# Altium PCB TinyShuffle v.0a.PcbDoc (continued)
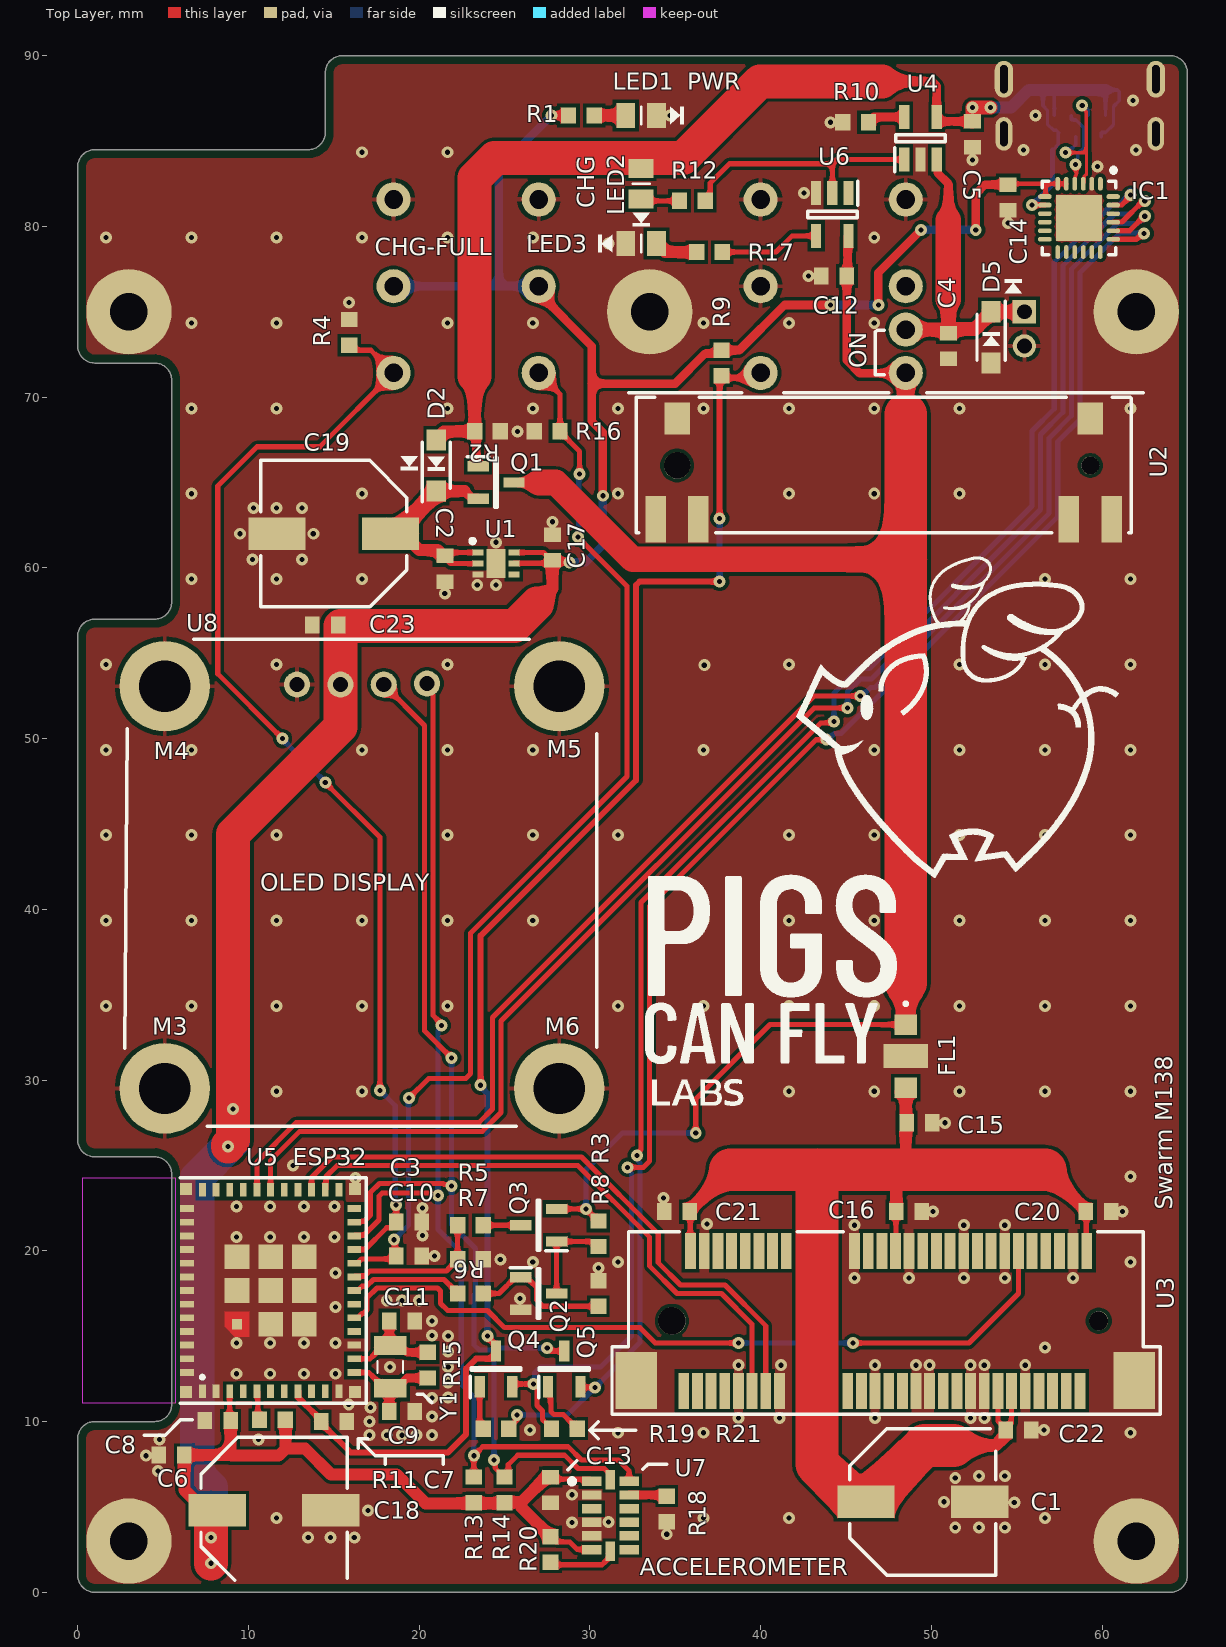
[diagram p0: Top Layer view]
## Footprints (in the part's own frame and the unit in brackets; to place one, negate y for a bottom-side part, rotate by r counter-clockwise, add the part's x,y. Pads: shape width x height; smd on the part's side, far side on the other; paste and mask are expansions set on the pad) (continued)
RES0603 [mm]
  rect 0.9x0.95 smd: 1(-0.75,0) 2(0.75,0)
  body extent -0.77,-0.4 0.77,0.4, height 0.55
SODFL3616X98N [mm]
  rect 1.24x1.12 smd: 1(-1.5,0) 2(1.5,0)
  silkscreen extent -2.12,-0.82 1.35,0.82, body extent -1.8,-0.82 1.8,0.82, height 0.98
SON65P200X200X80-7N [mm]
  rect 0.65x0.35 smd mask+0.05: 1(-1.05,0.65) 2(-1.05,0) 3(-1.05,-0.65) 4(1.05,-0.65) 5(1.05,0) 6(1.05,0.65)
  rect 1.1x1.7 smd mask+0: 7(0,0)
  silkscreen extent -1.5,1.2 -1.25,1.45, body extent -1.05,-1 1.05,1, height 0.8
SOT95P270X145-5N [mm]
  rect 1.4x0.6 smd: 1(-1.25,0.95) 2(-1.25,0) 3(-1.25,-0.95) 4(1.25,-0.95) 5(1.25,0.95)
  silkscreen extent -1.95,-1.45 0.2,1.5, body extent -1.35,-1.45 1.35,1.45, height 1.45
SOT96P237X111-3N [mm]
  rect 1.25x0.6 smd: 1(-1.05,0.955) 2(-1.05,-0.955) 3(1.05,0)
  silkscreen extent -1.68,-1.46 0.08,1.51, body extent -1.18,-1.46 1.18,1.46, height 1.11
XCVR_ESP32-C3-MINI-1-N4 [mm]
  rect 0.8x0.4 smd: 1(-5.9,1.3) 2(-5.9,0.5) 3(-5.9,-0.3) 4(-5.9,-1.1) 5(-5.9,-1.9) 6(-5.9,-2.7) 7(-5.9,-3.5) 8(-5.9,-4.3) 9(-5.9,-5.1) 10(-5.9,-5.9) 11(-5.9,-6.7) 25(5.9,-6.7) 26(5.9,-5.9) 27(5.9,-5.1) 28(5.9,-4.3) 29(5.9,-3.5) 30(5.9,-2.7) 31(5.9,-1.9) 32(5.9,-1.1) 33(5.9,-0.3) 34(5.9,0.5) 35(5.9,1.3)
  rect 0.4x0.8 smd: 12(-4.8,-7.6) 13(-4,-7.6) 14(-3.2,-7.6) 15(-2.4,-7.6) 16(-1.6,-7.6) 17(-0.8,-7.6) 18(0,-7.6) 19(0.8,-7.6) 20(1.6,-7.6) 21(2.4,-7.6) 22(3.2,-7.6) 23(4,-7.6) 24(4.8,-7.6) 36(4.8,2.2) 37(4,2.2) 38(3.2,2.2) 39(2.4,2.2) 40(1.6,2.2) 41(0.8,2.2) 42(0,2.2) 43(-0.8,2.2) 44(-1.6,2.2) 45(-2.4,2.2) 46(-3.2,2.2) 47(-4,2.2) 48(-4.8,2.2)
  rect 0.6x0.6 smd paste-1 mask+0: 49_1(-1.975,-0.725)
  rect 1.45x1.45 smd: 49_2(0,-0.725) 49_3(1.975,-0.725) 49_4(1.975,-2.7) 49_5(1.975,-4.675) 49_6(0,-4.675) 49_7(-1.975,-4.675) 49_8(-1.975,-2.7) 49_9(0,-2.7)
  rect 0.7x0.7 smd: 50(5.95,2.25) 51(5.95,-7.65) 52(-5.95,-7.65) 53(-5.95,2.25)
  Top Layer region: -1.25,-1.45 -2.7,-1.45 -2.7,-0.6 -2.1,0 -1.25,0
  Keep-Out Layer region: 6.6,2.9 -6.6,2.9 -6.6,8.3 6.6,8.3
  Keep-Out Layer region: 6.6,2.9 -6.6,2.9 -6.6,8.3 6.6,8.3
  silkscreen extent -6.6,-8.3 6.6,2.6, body extent -6.6,-8.3 6.6,8.3, height 2.55
XTAL_ABS07-32.768KHZ-T [mm]
  rect 1.1x1.9 smd: 1(-1.25,0) 2(1.25,0)
  silkscreen extent -0.35,-0.75 0.35,0.75, body extent -1.6,-0.75 1.6,0.75, height 0.89

## Part data
C1 C18 C19: "CAP ALUM POLY 220UF 20% 6.3V SMD", Manufacturer_Part_Number=APXA6R3ARA221MH70G, Mfr_Name="Nippon Chemi-Con", C="Copyright (C) 2015 Accelerated Designs. All rights reserved", Copyright="Copyright (C) 2022 Ultra Librarian. All rights reserved.", Digi-Key_Part_Number_1=565-3114-1-ND, Digi-Key_Part_Number_2=565-3114-2-ND, Digi-Key_Part_Number_3=565-3114-2-NDL, Digi-Key_Part_Number_4=565-3114-6-ND
C2 C4 C5 C6 C7: library part CAPC1608N-0.1UF, "CAP CER 1UF 25V X7R 0603", Manufacturer_Name="TDK Corporation", Manufacturer_Part_Number=CGA3E2X7R1E104K080AA, Mouser Part Number=963-TMF212B7104KGHT, Mouser Price/Stock=https://www2.mouser.com/ProductDetail/Taiyo-Yuden/TMF212B7104KGHT?qs=%252B6g0mu59x7Jv7XISa3hIWA%3D%3D, PCB DECAL=CAPC1608X55N
C3 C8 C10 C12 C13 C14 C16 C20 C21 C22 C23: library part 100n_0603, "CAP CER 0.1UF 25V X7R 0603", Manufacturer=KEMET, Part Number=C0603C104J5RACTU, Generic Part=no
C9 C11: library part CAPC1608N-0.1UF, "CAP CER 12PF NP0 0603", Manufacturer_Name="TDK Corporation", Manufacturer_Part_Number=CGA3E2X7R1E104K080AA, Mouser Part Number=963-TMF212B7104KGHT, Mouser Price/Stock=https://www2.mouser.com/ProductDetail/Taiyo-Yuden/TMF212B7104KGHT?qs=%252B6g0mu59x7Jv7XISa3hIWA%3D%3D, PCB DECAL=CAPC1608X55N
C15 C17: library part CAPC1608N-0.1UF, "25V 10UF X5R ±20% 0603 MLCC", Manufacturer_Name="TDK Corporation", Manufacturer_Part_Number=CGA3E2X7R1E104K080AA, Mouser Part Number=963-TMF212B7104KGHT, Mouser Price/Stock=https://www2.mouser.com/ProductDetail/Taiyo-Yuden/TMF212B7104KGHT?qs=%252B6g0mu59x7Jv7XISa3hIWA%3D%3D, PCB DECAL=CAPC1608X55N
D2 D5: library part MBR0520, "20V 600mV@1A 1A SOD-123 Schottky Barrier Diodes (SBD) ROHS", LCSC Part Number=C81143, Manufacturer=ON, Manufacturer_Part_Number=LMBR120FT1G, Generic Part=no
FL1: "1ÂµF Feed Through Capacitor 100V 6A 5mOhm 1206 (3216 Metric), 4 PC Pad", Package="0402 TDK", Check_prices=https://www.snapeda.com/parts/YFF31HC2A105M/TDK/view-part/566442/?ref=eda, Digi-Key_Part_Number=445-16151-1-ND, MF=TDK, MP=YFF31HC2A105M, Purchase-URL=https://pricing.snapeda.com/search/part/YFF31HC2A105M/?ref=eda, SnapEDA_Link=https://www.snapeda.com/parts/YFF31HC2A105M/TDK/view-part/566442/?ref=snap
IC1: library part CP2104, "CP2104 - USB to UART Bridge    VDD Output: 3.45V", LCSC Part Number=C47742, VIO:1.8-VDD
Op.Temp:-40~85°C="VIO: 1.8-VDD  / Op. Temp: -40~85°C", COMPANY="ADAFRUIT INDUSTRIES", DRAWN=KTOWN, Manufacturer_Part_Number=CP2104-F03-GMR, REV=B
J1: "USB2.0, TOP MOUNT, R/A, 16 PIN, DUAL", Package=None, Availability=Bad, Check_prices=https://www.snapeda.com/parts/124019772112A/Amphenol/view-part/4792123/?ref=eda, MF="Amphenol Commercial Products", MP=124019772112A, Price=None, SnapEDA_Link=https://www.snapeda.com/parts/124019772112A/Amphenol/view-part/4792123/?ref=snap
LED1: library part 598_SERIES_LED, "Red 635nm LED Indication - Discrete 2.2V 0805 _2012 Metric_", Package="0805 Dialight", Availability=Unavailable, MF=Dialight, MP=598-8110-107F, Price=None, SnapEDA_Link=https://www.snapeda.com/parts/598-8110-107F/Dialight/view-part/275124/?ref=snap
LED2: library part 598_SERIES_LED, "Orange 605nm LED Indication - Discrete 2V 0805 (2012 Metric)", Package="0805 Dialight", Availability=Unavailable, MF=Dialight, MP=598-8110-107F, Price=None, SnapEDA_Link=https://www.snapeda.com/parts/598-8110-107F/Dialight/view-part/275124/?ref=snap
LED3: library part 598_SERIES_LED, "Green 566nm LED Indication - Discrete 2V 0805 (2012 Metric)", Package="0805 Dialight", Availability=Unavailable, MF=Dialight, MP=598-8110-107F, Price=None, SnapEDA_Link=https://www.snapeda.com/parts/598-8110-107F/Dialight/view-part/275124/?ref=snap
M3 M4 M5 M6: library part STANDOFF, "RND STANDOFF M2X0.4 STEEL 3.5MM"
Q1: library part MOSFET-P, "P-Channel Mosfet   LEGEND   VDS: Voltage Drain-Source ID: Drain Current RDS(ON): Drain-Source On-State Resistance VGS(TH): Gate-Source Threshold Voltage CISS: Drain-Source Input Capacitance    SOT-23   Name	VDS	ID	RDS(ON)	VGS(TH)	CISS	Order Number	   IRLML5103	30V	760mA	600 mOhm	--	75pF @ 25V	Digikey: IRLML5103PBFCT-ND	   IRLML6401	12V	4.3A	50 mOhm	950mV @ 250µA	830pF @ 10V	Digikey: IRLML6401PBFTR-ND	   NTR0202PL	20V	400mA	800 mOhm	2.3V @ 250uA	70pF @ 5V	Digikey: NTR0202PLT1GOSTR-ND	   NTR4101PT1G	20V	1.8A	85 mOhm	1.2V @ 250uA	675pF @ 10V	Digikey: NTR4101PT1GOSCT-ND	   DMP2004K	20V	600mA	900 mOhm	1V @ 250uA	175pF @ 16V	Digikey: DMP2004KDICT-ND	   PMV65XP	20V	3.9A	76 mOhm	950mV @ 1mA	725pF @ 20V	Digikey: 568-2358-2-ND	   							   							TO-252   Name	VDS	ID	RDS(ON)	VGS(TH)	CISS	Order Number	   AOD417	30V	25A	34 mOhm	3V @ 250µA	920pF @ 15V	Digikey: 785-1106-2-ND	PowerPak   Name	VDS	ID	RDS(ON)	VGS(TH)	CISS	Order Number	   AON7401	30V	12A	14 mOhm	3V @ 250µA	2600pF @ 15V	Digikey: 785-1302-1-ND", LCSC Part Number=C709946, Manufacturer_Part_Number=DMG3415U-7, COMPANY="ADAFRUIT INDUSTRIES", D=D, DRAWN=KTOWN, G=G, REV=B, S=S
Q2: "MOSFET P-CH 60V 0.17A 3-Pin SOT-23 T/R"
Q3: library part 2N7002, "Power MOSFET, N Channel, 60 V, 300 mA, 2.8 ohm, SOT-23, Surface Mount"
Q4 Q5: "Integrated Circuit", LCSC Part Number=C82460, Manufacturer_Name="ON Semiconductor", Mouser Part Number=863-MMBT2222ALT1G, Arrow Part Number=MMBT2222ALT1G, Arrow Price/Stock=https://www.arrow.com/en/products/mmbt2222alt1g/on-semiconductor, Datasheet Link=http://www.onsemi.com/pub/Collateral/MMBT2222LT1-D.PDF, Height=1.11mm, Manufacturer_Part_Number=MMBT2222ALT1G, Mouser Price/Stock=https://www.mouser.co.uk/ProductDetail/ON-Semiconductor/MMBT2222ALT1G?qs=HVbQlW5zcXWwnD7Jokybqg%3D%3D
R1 R12: library part 1K_0603, "RES 1.00K OHM 1/10W 1% 0603 SMD", Manufacturer=Vishay, Manufacturer_Part_Number=CRCW06031K00FKEAHP, Generic Part=no
R2 R3 R7 R8: library part 100K_0603, "Res General Purpose Thick Film 0603 100k Ohm 1% 1/10W ±100ppm/°C Molded", Manufacturer=Vishay, Part Number=CRCW0603100KFKEAHP, Generic Part=no
R4 R9 R11 R16 R18 R19 R20 R21: library part RGA1608P-103-B-T1, "RES 10.0K OHM 1/10W 1% 0603 SMD Ro HS", Manufacturer_Name=Susumu, Mouser Part Number=754-RGA1608P-103BT1, Arrow Part Number=RGA1608P-103-B-T1, Datasheet Link=https://componentsearchengine.com/Datasheets/1/RGA1608P-103-B-T1.pdf, Height=0.55mm, Manufacturer_Part_Number=RGA1608P-103-B-T1, Mouser Price/Stock=https://www.mouser.co.uk/ProductDetail/Susumu/RGA1608P-103-B-T1?qs=bZr6mbWTK5mMUuFD5Afdcw%3D%3D
R5: library part 330K_0603, "Res Thick Film 0603 330K Ohm 1% 0.1W(1/10W) ±100ppm/C Pad SMD T/R", Manufacturer=Vishay, Part Number=CRCW0603330KFKEAHP, Generic Part=no
R6 R13 R14: library part RGA1608P-103-B-T1, "Res Thick Film 0603 330K Ohm 1% 0.1W(1/10W) ±100ppm/C Pad SMD T/R", Manufacturer_Name=Susumu, Mouser Part Number=754-RGA1608P-103BT1, Arrow Part Number=RGA1608P-103-B-T1, Datasheet Link=https://componentsearchengine.com/Datasheets/1/RGA1608P-103-B-T1.pdf, Height=0.55mm, Manufacturer_Part_Number=RGA1608P-103-B-T1, Mouser Price/Stock=https://www.mouser.co.uk/ProductDetail/Susumu/RGA1608P-103-B-T1?qs=bZr6mbWTK5mMUuFD5Afdcw%3D%3D
R10: library part 10K_0603, "Res General Purpose Thick Film 0603 1.5K Ohm 1% 1/10W ±100ppm/°C Molded SMD Paper T/R", Manufacturer=Vishay, Manufacturer_Part_Number=CRCW060310K0FKEAHP, Generic Part=no
R15: library part 100K_0603, "Res Thick Film 0603 10M Ohm 1% 1/10W ±200ppm/°C Molded SMD SMD Paper T/R", Generic Part=YES
R17: library part 1K_0603, "RES 1.00K OHM 1/10W 1% 0603 SMD", Manufacturer=Vishay, Part Number=CRCW06031K00FKEAHP, Generic Part=no
S1: "SWITCH TOGGLE SPDT 3A 120V"
S2 S3 S4: "Pushbutton Switch SPST-NO Standard Through Hole, Right Angle, Vertical"
T1: library part "Battery Connector", "Connector Header, PH Series, 2 Position, 2.00mm, Through Hole, Press-Fit, Solder, Natural"
U1: "1.2A LDO Regulator, Low Dropout Voltage, Low Noise with Power Good Output 3.3V, Active discharge", Manufacturer_Name="ON Semiconductor", Mouser Part Number=863-NCV8187AMT330TAG, Arrow Part Number=NCV8187AMT330TAG, Arrow Price/Stock=https://www.arrow.com/en/products/ncv8187amt330tag/on-semiconductor?region=nac, Datasheet Link=https://www.onsemi.com/pdf/datasheet/ncv8187-d.pdf, Height=0.8mm, Manufacturer_Part_Number=NCV8187AMT330TAG, Mouser Price/Stock=https://www.mouser.co.uk/ProductDetail/onsemi/NCV8187AMT330TAG?qs=%252B6g0mu59x7JkSKBMOiGIwA%3D%3D
U2: library part Component_2, "CONN MINI EXPRESS CARD LATCH SMD"
U3: library part "SWARM_M138_mPCIe_2.005\"_VHF", "SWARM M138 MODEM mPCIe 2.005\" (50.925mm) x 1.18\" (30mm)  Two part connector", MANUF1=JAE, MANUF1 P/N="A: MM60-52B1-B1-R850 B: MM60-EZH039-B5-R850", TEMP="-40°C ~ 85°C", Size=mPCIe, SPECIAL_INSTRUCTIONS="A: MM60-52B1-B1-R850 B: MM60-EZH039-B5-R850", Supplier=Digikey, Supplier P/N="A: 670-2274-2-ND B: 670-2276-2-ND", Type=CONN
U4: library part MCP73831-2-OT, "IC BATT CNTL LI-ION 1CEL SOT23-5", Manufacturer="Microchip Technology", Generic Part=no, Manufacturer_Part_Number=MCP73831T-2ACI/OT
U5: "Bluetooth, WiFi 802.11b/g/n, Bluetooth v5.0 Transceiver Module 2.412GHz ~ 2.484GHz PCB Trace Surface Mount", Package="SMD-53 Espressif Systems", Availability="In Stock", Check_prices=https://www.snapeda.com/parts/ESP32-C3-MINI-1-N4/Espressif+Systems/view-part/?ref=eda, MF="Espressif Systems", MP=ESP32-C3-MINI-1-N4, Price=None, Purchase-URL=https://pricing.snapeda.com/search/part/ESP32-C3-MINI-1-N4/?ref=eda, SnapEDA_Link=https://www.snapeda.com/parts/ESP32-C3-MINI-1-N4/Espressif+Systems/view-part/?ref=snap
U6: "Inverter IC 1 Channel - SOT-23-5", LCSC Part Number=C7827, Manufacturer_Name="Texas Instruments", Mouser Part Number=595-SN74LVC1G04DBVR, Arrow Part Number=SN74LVC1G04DBVR, Arrow Price/Stock=https://www.arrow.com/en/products/sn74lvc1g04dbvr/texas-instruments, Datasheet Link=http://www.ti.com/lit/gpn/sn74lvc1g04, Height=1.45mm, Manufacturer_Part_Number=SN74LVC1G04DBVR, Mouser Price/Stock=https://www.mouser.co.uk/ProductDetail/Texas-Instruments/SN74LVC1G04DBVR?qs=AMJt07B76utiScZvQx5a7w%3D%3D
U7: "3-Axis, ±2 g/±4 g/±8 g/±16 g Digital Accelerometer", Manufacturer_Name="Analog Devices", Mouser Part Number=584-ADXL345BCCZ-R, Arrow Part Number=ADXL345BCCZ-RL, Arrow Price/Stock=https://www.arrow.com/en/products/adxl345bccz-rl/analog-devices?region=nac, Datasheet Link=https://www.analog.com/media/en/technical-documentation/data-sheets/ADXL345.pdf, Height=1mm, Manufacturer_Part_Number=ADXL345BCCZ-RL, Mouser Price/Stock=https://www.mouser.co.uk/ProductDetail/Analog-Devices/ADXL345BCCZ-RL?qs=WIvQP4zGangSXrz9XHbgiA%3D%3D
U8: library part "Header 4", "Header, 4-Pin", LatestRevisionDate=17-Jul-2002, LatestRevisionNote="Re-released for DXP Platform.", Publisher="Altium Limited"
Y1: "32.768kHz Â±20ppm Crystal 12.5pF 70 kOhms 2-SMD, No Lead", Package="SMD-2 Abracon", Availability=Unavailable, MF="Abracon LLC", MP=ABS07-32.768KHZ, Price=None, SnapEDA_Link=https://www.snapeda.com/parts/ABS07-32.768KHZ/Abracon%20LLC/view-part/448682/?ref=snap

## Free pads (board coordinates)
  round 5 hole 2.2: M(3,3) M(3,75) M(33.5,75) M(62,3) M(62,75)

## Via types
v1: diameter 0.7, hole 0.3, Top Layer to Bottom Layer, tented both sides, 283 vias

## Nets (pads, with @x,y where several pads share a name; then routed paths per layer and width w, separated by ;. In a path a pad name is that pad's centre, name@x,y a point inside that pad or via, vN(x,y) a via of type N, cw(c..) or ccw(c..) an arc to the next point about the centre after c; other vN are vias at no path point)
+3V3: C6.2 C8.2 C13.1 C14.2 C17.2 C18.1 C23.1 IC1.5 IC1.6 IC1.7 R1.2 R9.1 R11.1 R13.1 R14.1 R20.1 S2.1 S3.1 U1.5 U1.6 U5.3 U7.1 U7.6 U8.2 | length 201.4
  Top Layer w0.25: C14.2 54.55,82.5 56.687,82.5 ; IC1.7 56.673,81.75 56.687,81.764 56.687,82.5 ; IC1.5 IC1.6 56.687,82.5
  Top Layer w0.3: C8.2@8.9,10.15 U5.3 ; U1.5 25.575,60.275 27.6,60.275 27.75,60.425 27.275,60.9 U1.6 ; R20.1 27.725,3.25 28.025,2.95 28.819,2.95 29.256,2.513 30.09,2.513 U7.6 ; C13.1 27.825,6.625 29.978,6.625 U7.1
  Top Layer w0.5: S3.1 27,76.094 30.1,72.994 30.1,70.797 ; v1(27.75,86.5) R1.2 ; C17.2 27.887,60.363 28.762,60.363 v1(28.8,60.325) ; v1(30.762,64.227) 30.762,67.938 30.1,68.6 30.1,70.797 ; v1(44.1,75.4) 41.4,75.4 38.75,72.75 R9.1 37.5,72.55 36.75,72.55 34.997,70.797 30.1,70.797 ; v1(46.9,75.4) 46.9,77.3 v1(49.4,79.8) ; v1(52.6,79.8) 52.6,81.9 53.15,82.45 C14.2
  Top Layer w0.7: C18.1@7.8,4.753 7.496,4.753 6.25,5.999 C6.2 8.961,8.038 ; C8.2@8.961,10.054 8.961,8.038 ; R11.1@12.175,10.1 12.175,8.41 ; R14.1 R14.1@25.027,5.277 ; 25.983,5.277 R14.1@25.027,5.277 ; 26.9,57.9 27.8,58.8 C17.2 ; R20.1@27.665,3.285 27.64,3.285 27.575,3.35 27.575,3.375 26,4.95 26,5.295 27.38,6.675 27.625,6.675 C13.1 ; 8.961,8.038 8.999,8 11.765,8 12.175,8.41 ; 12.175,8.41 13.327,8.41 14.837,6.9 18.681,6.9 20.381,5.2 24.95,5.2 R14.1@25.027,5.277
  Top Layer w2: v1(7.8,1.7) v1(7.8,3.2) C18.1@7.8,4.753 ; v1(8.8,26.1) 8.8,26.19 9.1,26.49 9.1,44.4 15.385,50.685 U8.2 15.385,56.593 25.593,56.593 26.9,57.9
  Bottom Layer w0.5: S2.1 24.667,76.5 ; S3.1 24.667,76.5 ; v1(27.75,86.5) 24.667,83.417 24.667,76.5 ; v1(28.8,60.325) 29.747,60.325 30.762,61.34 v1(30.762,64.227) ; v1(44.1,75.4) v1(46.9,75.4) ; v1(49.4,79.8) v1(52.6,79.8)
  Bottom Layer w2: v1(7.8,1.7) 7.8,6.138 7,6.938 7,24.3 9.1,26.4 v1(9.1,28.3)
BAT-EV: R6.1 U5.18 | length 6.3
  Top Layer w0.3: U5.18 16.25,17.725 16.45,17.725 16.65,17.925 16.918,17.925 17.318,18.325 21.45,18.325 R6.1@21.978,17.797
BAT-RV: R5.2 R7.1 U5.19 | length 8.8
  Top Layer w0.3: U5.19 16.25,18.525 16.811,18.525 17.111,18.825 21.6,18.825 22.25,19.475 R5.2@22.25,21.788
CHG_FULL: R17.2 U6.4 | length 5.9
  Top Layer w0.3: R17.2 40.9,78.5 41.85,79.45 U6.4
D_N: IC1.4 J1.A7 J1.B7 | length 4.8
  Top Layer w0.2: IC1.4 58.4,82.789 58.4,82.592 58.437,82.555 58.437,82.955 58.493,83.011 58.493,83.563 v1(58.436,83.62)
  Bottom Layer w0.2: J1.B7 58.2,86.263 58.225,86.238 58.462,86.238 58.925,85.775 58.925,85.025 58.95,85 58.925,84.975 58.925,84.616 58.583,84.274 58.583,83.982
D_P: IC1.3 J1.A6 J1.B6 | length 8
  Top Layer w0.2: v1(57.868,84.325) 59.067,84.325 ; v1(58.836,87.079) 58.836,86.944 59.067,86.713 59.067,84.325 ; IC1.3 58.9,82.524 58.937,82.561 58.943,82.561 58.96,82.578 58.96,82.942 59.086,83.068 59.086,84.306 59.067,84.325
  Bottom Layer w0.2: v1(57.868,84.325) 57.992,84.325 58.451,84.783 J1.A6 ; v1(58.836,87.079) 58.871,87.079 59.2,86.75 J1.B6
DTR: IC1.23 Q5.2 R19.2 | length 92.7
  Top Layer w0.3: R19.2 25.25,9.605 25.723,10.078 v1(25.723,10.394) ; Q5.2 29.485,12 v1(30.3,12) ; v1(32.76,25.594) 32.76,25.702 33,25.942 33,40.407 43.516,50.923 44.223,50.923 v1(44.3,51) ; IC1.23 60.66,81.26 61.154,81.26 61.663,81.769 v1(61.663,81.831)
  Bottom Layer w0.3: v1(25.723,10.394) 28.694,10.394 v1(30.3,12) 32.94,14.64 32.94,25.139 32.837,25.243 32.837,25.517 v1(32.76,25.594) ; v1(44.3,51) 44.3,52.662 45.738,54.1 46.379,54.1 55.9,63.621 55.9,68.021 57.2,69.321 57.2,77.906 60.548,81.255 60.978,81.255 61.555,81.831 v1(61.663,81.831) ; v1@61.513,81.981 v1@61.663,82.131
EN: C7.2 Q4.3 R9.2 S4.3 U5.8 | length 86.8
  Top Layer w0.35: U5.8 12.925,11.75 12.925,11.4 14,10.325 14.5,9.825 14.5,9.675 15.975,8.2 21.7,8.2 22.75,9.25 22.75,13.095 23.335,13.68 24.375,13.68 24.5,13.805 Q4.3 24.5,14.455 24,14.955 v1(24,15) ; v1(23.6,29.7) 23.6,38.458 32.7,47.558 32.7,58.995 32.905,59.2 v1(37.6,59.2) ; v1(37.6,62.9) 37.6,71.15 R9.2 ; R9.2@37.7,71.125 39.705,71.125 S4.3
  Bottom Layer w0.35: v1(23.6,29.7) 23.6,29.605 24,29.205 v1(24,15) ; v1(37.6,59.2) v1(37.6,62.9)
GND: C1.2 C2.1 C3.2 C4.2 C5.1 C6.1 C7.1 C8.1 C9.2 C10.2 C11.2 C12.2 C13.2 C14.1 C15.2 C16.2 C17.1 C18.2 C19.2 C20.2 C21.2 C22.1 C23.2 D5.2 FL1.2 IC1.2 IC1.25 J1.A1 J1.A12 J1.B1 J1.B12 J1.G1 J1.G2 J1.S1 J1.S2 J1.S3 J1.S4 LED1.C LED3.C M3.M M4.M M5.M M6.M pad.M Q3.2 R2.2 R4.2 R7.2 R8.2 R10.2 R16.2 R18.1 S1.M S2.M S3.M S4.1 S4.M T1.2 U1.3 U1.7 U2.S1_1 U2.S1_2 U2.S1_3 U2.S2_1 U2.S2_2 U2.S2_3 U3.4 U3.9 U3.15 U3.18 U3.21 U3.26 U3.27 U3.29 U3.34 U3.35 U3.37 U3.40 U3.43 U3.50 U3.53 U3.54 U4.2 U5.1 U5.2 U5.11 U5.14 U5.36 U5.37 U5.38 U5.39 U5.40 U5.41 U5.42 U5.43 U5.44 U5.45 U5.46 U5.47 U5.48 U5.49_1 U5.49_2 U5.49_3 U5.49_4 U5.49_5 U5.49_6 U5.49_7 U5.49_8 U5.49_9 U5.50 U5.51 U5.52 U5.53 U6.3 U7.2 U7.4 U7.5 U8.1
  other v1: 13.5,3.2 14.8,3.2 16.2,3.2 34.5,3.4 51.4,3.8 52.8,3.8 54.3,3.8 28.95,4.098 31.1,4.116 11.654,4.345 36.654,4.345 41.654,4.345 56.654,4.345 17,4.8 54.858,5.26 50.737,5.3 28.95,5.712 51.4,6.7 52.8,6.8 54.3,6.8 4.7,7.1 4,8 4.796,8.938 10.6,8.953 17.1,9.2 18.1,9.2 19,9.2 19.85,9.2 20.75,9.2 31.654,9.345 36.654,9.345 61.654,9.345 26.5,9.5 56.6,9.5 17.1,10 38.7,10.2 41.1,10.2 46.7,10.2 52.3,10.2 53.1,10.2 20.75,10.3 17.15,10.825 15.875,11 20.75,11.373 21.7,11.4 21.7,12.3 9.3,12.8 11.275,12.8 13.25,12.8 15.1,12.8 18.3,13.2 21.7,13.2 38.7,13.3 41.2,13.3 46.7,13.3 49.1,13.3 49.9,13.3 52.3,13.3 53.1,13.3 55.5,13.3 21.7,14.1 56.654,14.345 9.3,14.6 11.275,14.6 13.25,14.6 15.1,14.6 21.7,15 20.75,15.05 20.75,15.9 15.1,16.7 18.1,17.1 19,17.1 20,17.1 25.9,17.2 45.5,18.4 48.7,18.4 51.9,18.4 54.3,18.4 58.3,18.4 15.1,18.7 30.5,19 26.654,19.345 31.654,19.345 61.654,19.345 24.75,19.5 20.9,19.7 9.3,20.8 11.275,20.8 13.25,20.8 15.05,20.8 20.2,20.9 45.5,21.5 51.9,21.5 54.3,21.5 36.85,21.58 50.1,22.3 61.2,22.3 20.2,22.5 9.3,22.6 11.275,22.6 13.25,22.6 15.05,22.6 34.3,23.1 16.266,24.275 61.654,24.345 12.6,25 50.8,27.5 11.654,29.345 16.654,29.345 41.654,29.345 46.654,29.345 51.654,29.345 56.654,29.345 61.654,29.345 1.654,34.345 6.654,34.345 11.654,34.345 16.654,34.345 21.654,34.345 31.654,34.345 36.654,34.345 41.654,34.345 46.654,34.345 51.654,34.345 56.654,34.345 61.654,34.345 1.654,39.345 6.654,39.345 11.654,39.345 16.654,39.345 21.654,39.345 26.654,39.345 36.654,39.345 41.654,39.345 46.654,39.345 51.654,39.345 56.654,39.345 61.654,39.345 1.654,44.345 6.654,44.345 11.654,44.345 21.654,44.345 26.654,44.345 31.654,44.345 41.654,44.345 46.654,44.345 51.654,44.345 56.654,44.345 61.654,44.345 1.654,49.345 6.654,49.345 16.654,49.345 21.654,49.345 26.654,49.345 36.654,49.345 46.654,49.345 51.654,49.345 56.654,49.345 61.654,49.345 36.7,54.3 1.654,54.345 11.654,54.345 21.654,54.345 41.654,54.345 51.654,54.345 56.654,54.345 61.654,54.345 21.5,58.5 23.4,59 24.5,59 6.654,59.345 11.654,59.345 16.654,59.345 56.654,59.345 61.654,59.345 10.245,60.5 13.145,60.5 24.5,61.5 9.5,62 13.798,62 27.8,62.7 10.3,63.5 11.645,63.5 13.145,63.5 6.654,64.345 16.654,64.345 31.654,64.345 41.654,64.345 46.654,64.345 51.654,64.345 25.75,68 6.654,69.345 11.654,69.345 21.654,69.345 26.654,69.345 31.654,69.345 36.654,69.345 41.654,69.345 46.654,69.345 51.654,69.345 61.654,69.345 6.654,74.345 11.654,74.345 21.654,74.345 26.654,74.345 36.654,74.345 41.654,74.345 46.654,74.345 15.9,75.55 42.8,77.1 31.1,79 1.654,79.345 6.654,79.345 11.654,79.345 16.654,79.345 21.654,79.345 26.654,79.345 46.654,79.345 54.5,80.2 42.54,81.967 59.736,83.501 52.4,83.9 16.654,84.345 21.654,84.345 55.4,84.475 61.989,84.475 44.1,86.1 34.7,86.5 56.1,86.5 61.805,87.375
GPIO8/SDA: R13.2 U5.22 U7.13 U8.4 | length 65.1
  Top Layer w0.3: U5.22 16.25,20.925 16.774,20.925 17.65,21.801 17.65,23.201 17.826,23.377 20.729,23.377 20.779,23.327 21.028,23.327 v1(21.105,23.25) ; U8.4 20.465,52.89 20.816,52.539 20.816,33.793 21.3,33.308 v1(21.3,33.2) ; R13.2 v1(23.2,8) 23.725,8.525 28.727,8.525 29.502,7.75 31.671,7.75 32.297,7.124 U7.13
  Bottom Layer w0.3: v1(21.3,33.2) 21.3,33.092 21.105,32.896 21.105,21.245 22.462,19.888 22.462,12.181 23.2,11.443 v1(23.2,8)
GPIO9/SCL: Q5.3 R14.2 U5.23 U7.14 U8.3 | length 69.5
  Top Layer w0.3: U5.23 16.25,21.725 16.773,21.725 17.15,22.102 17.15,23.431 17.669,23.95 21.395,23.95 21.468,23.877 21.823,23.877 v1(21.9,23.8) ; U8.3 20.316,50.776 20.316,32.884 v1(21.9,31.3) ; v1(24.385,7.75) 24.461,7.673 24.461,7.264 24.975,6.75 R14.2 25.22,6.97 25.22,7.474 25.77,8.025 28.52,8.025 29.295,7.25 30.846,7.25 31.2,6.896 U7.14 ; v1(27.5,14.3) 27.608,14.3 27.778,14.13 Q5.3
  Bottom Layer w0.3: v1(21.9,31.3) v1(21.9,23.8) 21.9,21.532 23.3,20.132 23.3,17.5 23.2,17.4 23.2,14.5 23.515,14.185 24.385,14.185 ; v1(24.385,7.75) 24.385,14.185 ; v1(27.5,14.3) 24.5,14.3 24.385,14.185
IN: C2.2 C19.1 D2.1 Q1.2 U1.1 U1.2 | length 13.7
  Top Layer w0.3: C2.2 21.7,60.9 U1.1 ; C2.2@21.575,60.5 21.825,60.25 U1.2
  Top Layer w0.5: 22.67,64.5 23.075,64.095 23.4,64.095 Q1.2
  Top Layer w0.7: C19.1 19.051,62 20.004,61.048 21.078,61.048 21.425,60.7 C2.2 ; D2.1 22.67,64.5
  Top Layer w1: C19.1@19.051,62 19.504,62.452 19.504,62.944 21,64.44 D2.1
MODEM: U3.42 U5.16 | length 45.3
  Top Layer w0.3: U5.16@16.4,16.075 16.65,16.325 16.745,16.325 16.95,16.53 16.95,17.25 17.525,17.825 21.078,17.825 21.254,17.649 21.254,16.922 21.676,16.5 24,16.5 25,15.5 32.93,15.5 33.83,14.6 v1(38.7,14.6) ; v1(45.4,14.6) 52.2,14.6 55.1,17.5 U3.42
  Bottom Layer w0.3: v1(38.7,14.6) v1(45.4,14.6)
NetC1_1: C1.1 C15.1 C16.1 C20.1 C21.1 C22.2 FL1.3 U3.2 U3.24 U3.39 U3.41 U3.52 | length 75.8
  Top Layer w0.3: U3.2@35.875,20.025 C21.1@35.875,22.275 ; U3.24@47.925,20.025 C16.1@47.925,22.275 ; U3.39 53.9,10.025 54.35,9.575 54.7,9.925 U3.41 ; U3.52@59.075,20.025 C20.1@59.075,22.275
  Top Layer w0.5: C21.1 C21.1@35.875,22.275 ; U3.2@35.875,20.025 U3.2 ; U3.24 U3.24@47.925,20.025 ; C16.1@47.925,22.275 C16.1 ; C22.2 C22.2@54.35,9.575 ; C20.1 C20.1@59.075,22.275 ; U3.52@59.075,20.025 U3.52
  Top Layer w0.7: C21.1 35.925,22.375 35.925,22.45 38.231,24.756 ; C16.1 47.95,24.732 47.974,24.756 48.5,25.282 FL1.3 48.45,29.55 FL1.3@48.2,29.3 ; 51.3,8.6 53.767,8.6 54.275,9.108 54.275,9.425 C22.2 ; 56.669,24.756 59.05,22.375 C20.1
  Top Layer w2.5: 38.231,24.756 43.321,24.756 ; 47.95,24.756 43.321,24.756 ; 47.974,24.756 56.669,24.756 ; 51.3,8.6 49.6,8.6 46.7,5.7 45.116,5.7 43.3,7.516 43.3,24.735 43.321,24.756
NetC9_1: C9.1 R15.1 U5.12 Y1.2 | length 6.5
  Top Layer w0.3: U5.12 17.05,12.875 17.5,12.425 17.5,12.35 17.9,11.95 Y1.2
  Top Layer w0.5: C9.1@18.25,10.5 18.25,11.9 Y1.2 18.7,11.95 19,12.25 19,12.257 19.293,12.55 R15.1
NetC11_1: C11.1 R15.2 U5.13 Y1.1 | length 6.4
  Top Layer w0.3: U5.13 17.125,13.675 17.9,14.45 Y1.1
  Top Layer w0.5: C11.1@18.25,16 18.25,14.5 Y1.1 18.6,14.15 19.193,14.15 19.293,14.05 R15.2
NetLED1_A: LED1.A R1.1 | length 1.8
  Top Layer w0.7: R1.1 LED1.A
NetLED2_C: LED2.C R12.1 | length 2.3
  Top Layer w0.3: LED2.C 33.1,81.5 R12.1
NetLED3_A: LED3.A R17.1 | length 1.8
  Top Layer w0.7: LED3.A@34.4,78.5 R17.1
NetQ2_1: Q2.1 Q3.3 R3.2 | length 5.6
  Top Layer w0.3: Q3.3 Q2.1 30.205,20.545 R3.2
NetQ2_3: Q2.3 R5.1 | length 2.2
  Top Layer w0.3: R5.1@23.72,21.5 Q2.3
NetQ3_1: Q3.1 R6.2 R8.1 | length 8.5
  Top Layer w0.3: R6.2@23.56,17.5 24.67,17.5 25.625,18.455 Q3.1 26.275,18.455 26.868,17.862 26.868,17.132 27.25,16.75 R8.1
NetQ4_1: Q4.1 R19.1 | length 2.5
  Top Layer w0.3: Q4.1 23.545,9.785 R19.1
NetQ5_1: Q5.1 R21.1 | length 3.5
  Top Layer w0.3: Q5.1 27.695,11.88 27.695,11.063 27.721,11.037 27.721,10.581 27.897,10.405 28.45,10.405 29.25,9.605 R21.1
NetR10_1: R10.1 U4.5 | length 2.2
  Top Layer w0.5: R10.1 46.32,86.125 46.52,86.325 46.545,86.325 46.63,86.41 U4.5
NetR11_2: R11.2 U5.5 | length 1.7
  Top Layer w0.3: U5.5 10.55,11.725 10.55,10.2 R11.2
NetR18_2: R18.2 U7.12 | length 2.2
  Top Layer w0.3: R18.2 R18.2@34.522,5.65
  Top Layer w0.5: U7.12 R18.2@34.422,5.7
NetR20_2: R20.2 U7.7 | length 4.1
  Top Layer w0.3: R20.2 27.841,1.609 30.704,1.609 31.2,2.105 U7.7
PAIRING: C3.1 R4.1 S2.3 U5.21 | length 66.9
  Top Layer w0.3: v1(12,50) 8.2,53.8 8.2,64.8 10.496,67.096 14.176,67.096 S2.3 17.17,72.75 16.2,72.75 R4.1 ; v1(14.5,47.421) 17.7,44.221 v1(17.7,29.4) ; U5.21 16.204,20.079 16.832,20.079 18.103,21.35 18.375,21.35 18.65,21.625 C3.1 18.647,21.703 18.647,22.674 v1(18.644,22.677)
  Bottom Layer w0.3: v1(12,50) 12,49.961 14.5,47.461 v1(14.5,47.421) ; v1(17.7,29.4) 18.6,28.5 18.6,22.721 v1(18.644,22.677)
RTS: IC1.19 Q4.2 R21.2 | length 92.9
  Top Layer w0.3: Q4.2 25.455,12.05 25.605,12.2 26.7,12.2 26.695,12.195 26.695,12.092 26.895,11.892 26.895,10.945 27.221,10.619 27.221,10.125 27.441,9.905 27.45,9.905 27.75,9.605 R21.2 ; v1@32.217,24.889 33.135,24.889 33.5,25.255 33.5,40.2 43.24,49.94 v1(43.844,49.94) ; IC1.19 62.012,79.25 62.355,79.593 v1(62.463,79.593)
  Bottom Layer w0.3: v1(26.695,12.2) 26.772,12.277 26.772,12.872 27.1,13.2 30.629,13.2 32.44,15.01 32.44,24.541 32.2,24.781 v1(32.2,24.889) ; v1(43.844,49.94) 43.952,49.94 44.312,50.3 44.7,50.3 57.4,63 57.4,67.4 58.7,68.7 58.7,77.285 61.021,79.607 62.449,79.607 v1(62.463,79.593)
S_RX: U3.11 U5.26 | length 34.8
  Top Layer w0.3: U5.26 14.55,23.625 14.55,24.349 15.201,25 29.293,25 33.5,20.793 33.5,19.1 35.1,17.5 37.7,17.5 39.5,15.7 U3.11
S_TX: U3.13 U5.27 | length 36.7
  Top Layer w0.3: U5.27 13.7,24.3 14.9,25.5 29.5,25.5 34,21 34,19.307 35.307,18 37.907,18 40.3,15.607 U3.13
STAT: R12.2 U4.1 U6.2 | length 14.7
  Top Layer w0.3: R12.2 37.05,81.8 37.05,82.55 38.176,83.676 44.2,83.676 ; U6.2 44.2,83.676 ; U4.1@48.252,83.919 44.443,83.919 44.2,83.676
U0RX: IC1.21 U5.30 | length 89.9
  Top Layer w0.3: U5.30 11.3,25.3 13,27 23.7,27 24.8,28.1 24.8,33.463 43.135,51.798 v1(45.093,51.798) ; IC1.21 60.66,80.26 61.17,80.26 62.41,81.5 v1(62.5,81.5)
  Bottom Layer w0.3: v1(45.093,51.798) 45.093,52.747 45.845,53.5 46.486,53.5 56.4,63.414 56.4,67.814 57.7,69.114 57.7,77.699 60.728,80.727 61.619,80.727 62.392,81.5 v1(62.5,81.5)
U0TX: IC1.20 U5.31 | length 89.3
  Top Layer w0.3: U5.31 10.5,25.207 12.793,27.5 23.493,27.5 24.3,28.307 24.3,33.67 43.128,52.498 v1(45.834,52.498) ; IC1.20@60.9,79.75 61.607,79.75 62.458,80.6 v1(62.5,80.6)
  Bottom Layer w0.3: v1(45.834,52.498) 45.942,52.498 46.444,53 46.693,53 56.9,63.207 56.9,67.607 58.2,68.907 58.2,77.492 60.883,80.175 62.075,80.175 v1(62.5,80.6)
VBAT: C12.1 FL1.1 Q1.3 Q2.2 R3.1 S1.3 U6.5 | length 102.3
  Top Layer w0.3: Q2.2 v1(29.77,22.455) 30.175,22.05 R3.1@30.272,21.953 ; v1(36.2,26.9) 36.2,28.9 40.55,33.25 FL1.1
  Top Layer w0.5: Q1.3 27,65 ; U6.5 45.1,79.4 45.1,77.15 C12.1 45.05,72.15 45.8,71.4 48.48,71.4 S1.3
  Top Layer w1: FL1.1 48.5,35.7 ; S1.3 48.5,69.003 48.503,69
  Top Layer w1.5: 27,65 28,65 32.5,60.5 48.503,60.5
  Top Layer w2.5: 48.5,35.7 48.503,35.703 48.503,60.5 48.503,69
  Bottom Layer w0.3: v1(29.77,22.455) 29.77,24.77 31.9,26.9 v1(36.2,26.9)
VBAT_IN: C4.1 D5.1 S1.2 T1.1 U4.3 | length 17.6
  Top Layer w0.5: U4.3 50.362,83.86 50.362,83.138 51,82.5 51,80.39
  Top Layer w0.7: D5.1 T1.1
  Top Layer w0.8: S1.2 50.715,73.96 50.925,73.75 C4.1 51,73.994 51,75.697 ; C4.1@51.319,73.994 52.554,73.994 53.5,74.94 D5.1
  Top Layer w1.5: 51,75.697 51,80.39
VBUS: C5.2 D2.2 IC1.8 J1.A4 J1.A9 J1.B4 J1.B9 LED2.A Q1.1 R2.1 U4.4 | length 77.6
  Top Layer w0.3: v1(55.9,81.251) IC1.8
  Top Layer w0.5: R2.1 23.35,67.9 23.35,66.005 23.4,65.955 Q1.1 ; 47.1,88.5 50.019,88.5 50.312,88.207 U4.4 ; U4.4@50.312,86.2 50.362,86.15 C5.2
  Top Layer w0.7: D2.2 21,67.56 21.44,68 R2.1 23.25,71.25
  Top Layer w0.8: C5.2 v1(52.4,86.968) v1(53.46,86.968)
  Top Layer w2: 23.25,71.25 23.25,82.828 24.422,84 33,84 35.457,84 39.957,88.5 47.1,88.5
  Bottom Layer w0.2: 56.54,88 56.54,87.06 56.8,86.8 56.8,85.985 57.16,85.625 57.325,85.625 57.45,85.5 57.425,85.475 57.425,84.802 57.098,84.475 ; J1.B9 57.2,87.975 57.225,88 ; J1.A9 59.95,85.487 59.975,85.512 60.212,85.512 60.669,85.969 60.669,87.025 61,87.356 61,87.883 60.883,88 60.2,88 J1.B4
  Bottom Layer w0.3: v1(55.9,81.251) 57.097,82.447 57.097,84.473
  Bottom Layer w0.7: v1(53.46,86.968) 54.674,86.968 55.706,88 56.54,88 57.225,88 60.2,88
WAKEUP: C10.1 R16.1 S3.3 U5.20 | length 63.6
  Top Layer w0.3: U5.20 16.4,19.275 16.45,19.325 16.45,19.349 16.626,19.525 18.475,19.525 C10.1 18.587,19.762 18.587,20.587 v1(18.525,20.65) ; v1(19.409,28.95) 20.559,30.1 22.724,30.1 23,30.376 23,38.6 32.175,47.775 32.175,58.925 v1(29.3,61.8) ; S3.3 28.25,70.17 28.25,67.975 29.4,66.825 v1(29.4,65.5)
  Bottom Layer w0.3: v1(18.525,20.65) 19.366,21.491 19.366,28.906 v1(19.409,28.95) ; v1(29.3,61.8) 29.35,61.85 29.35,65.45 v1(29.4,65.5)
pads on no net: IC1.1 IC1.9 IC1.10 IC1.11 IC1.12 IC1.13 IC1.14 IC1.15 IC1.16 IC1.17 IC1.18 IC1.22 IC1.24 J1.A5 J1.A8 J1.B5 J1.B8 S1.1 U1.4 U2. U3. U3.1 U3.3 U3.5 U3.6 U3.7 U3.8 U3.10 U3.12 U3.14 U3.16 U3.17 U3.19 U3.20 U3.22 U3.23 U3.25 U3.28 U3.30 U3.31 U3.32 U3.33 U3.36 U3.38 U3.44 U3.45 U3.46 U3.47 U3.48 U3.49 U3.51 U5.4 U5.6 U5.7 U5.9 U5.10 U5.15 U5.17 U5.24 U5.25 U5.28 U5.29 U5.32 U5.33 U5.34 U5.35 U6.1 U7.3 U7.8 U7.9 U7.10 U7.11 U8.

## Polygon pours and split planes (outlines as drawn)
GND on Top Layer "GND-TOP" (solid, remove dead copper, pour order 5): -1.1,-0.2 -1.1,90.7 66.4,90.7 66.9,90.2 66.1,89.4 66.1,-0.2 0.9,-0.2
GND on Bottom Layer "GND-bot" (solid, remove dead copper, pour order 4): 66.3,-1 -0.4,-1 -0.4,90 66.3,90
+3V3 on Bottom Layer "+3V3_L02_P001" (solid, remove dead copper, pour order 1): 6.5,1.4 6.5,3.4 8.8,3.4 8.8,1.4

## Silkscreen, mask and mechanical layers (free items; w line width, h text height)
Top Overlay:
  drawing of 50 lines, arcs and shapes, not listed
  text "PWR" at 35.7,88 h1
  text "CHG" at 30.25,81.056 h1 r90
  text "CHG-FULL" at 17.4,78.3 h1
  text "ON" at 46.2,71.7 h1 r90
  text "OLED DISPLAY" at 10.7,41.1 h1
  text "ESP32" at 12.6,25 h1
  text "Swarm M138" at 64.1,22.4 h1 r90
  text "ACCELEROMETER" at 32.929,1 h1
Bottom Overlay:
  drawing of 17 lines, arcs and shapes, not listed
  text "PAIRING" at 14.3,70.3 h1 r270
  text "RESET" at 37.5,70.3 h1 r270
  text "WAKEUP" at 24,70.2 h1 r270
  text "GND" at 12.4,54.7 h1 r270
  text "SCL" at 17.3,54.7 h1 r270
  text "SDA" at 19.9,54.7 h1 r270
  text "+3V3" at 14.7,54.415 h1 r270
Mechanical 1:
  lines w0.1: 5.5,10.998 5.5,24.502 ; 5.5,11 cw(c4.5,11) 4.5,10 1,10 ccw(c1,9) 0,9 0,1 ccw(c1,1) 1,0 64,0 ccw(c64,1) 65,1 65,89 ccw(c64,89) 64,90 15.5,90 ccw(c15.5,89) 14.5,89 14.5,85.5 cw(c13.5,85.5) 13.5,84.5 1,84.5 ccw(c1,83.5) 0,83.5 0,73 ccw(c1,73) 1,72 4.5,72 cw(c4.5,71) 5.5,71 5.5,58 cw(c4.5,58) 4.5,57 1,57 ccw(c1,56) 0,56 0,26.5 ccw(c1,26.5) 1,25.5 4.5,25.5 cw(c4.5,24.5) 5.5,24.5
Mechanical 2:
  lines w0.1: -0.5,91 65,91 ; 15.5,93 65,93
  text "EXT. ENCLOSURE" at 49.02,93.52 h0.5
  text "INT. ENCLOSURE" at 49.02,89.52 h0.5

## Text inside footprints (layer, text, board x,y; h text height)
J1: Top Component Outline "PCB EDGE" at 64.1,89.825 h0.5 r180
T1: Bottom Overlay "+" at 56.533,74.7 h1 r270; Bottom Overlay "-" at 56.45,72.7 h1 r270